# KiCad board Barghoot.kicad_pcb (continued)
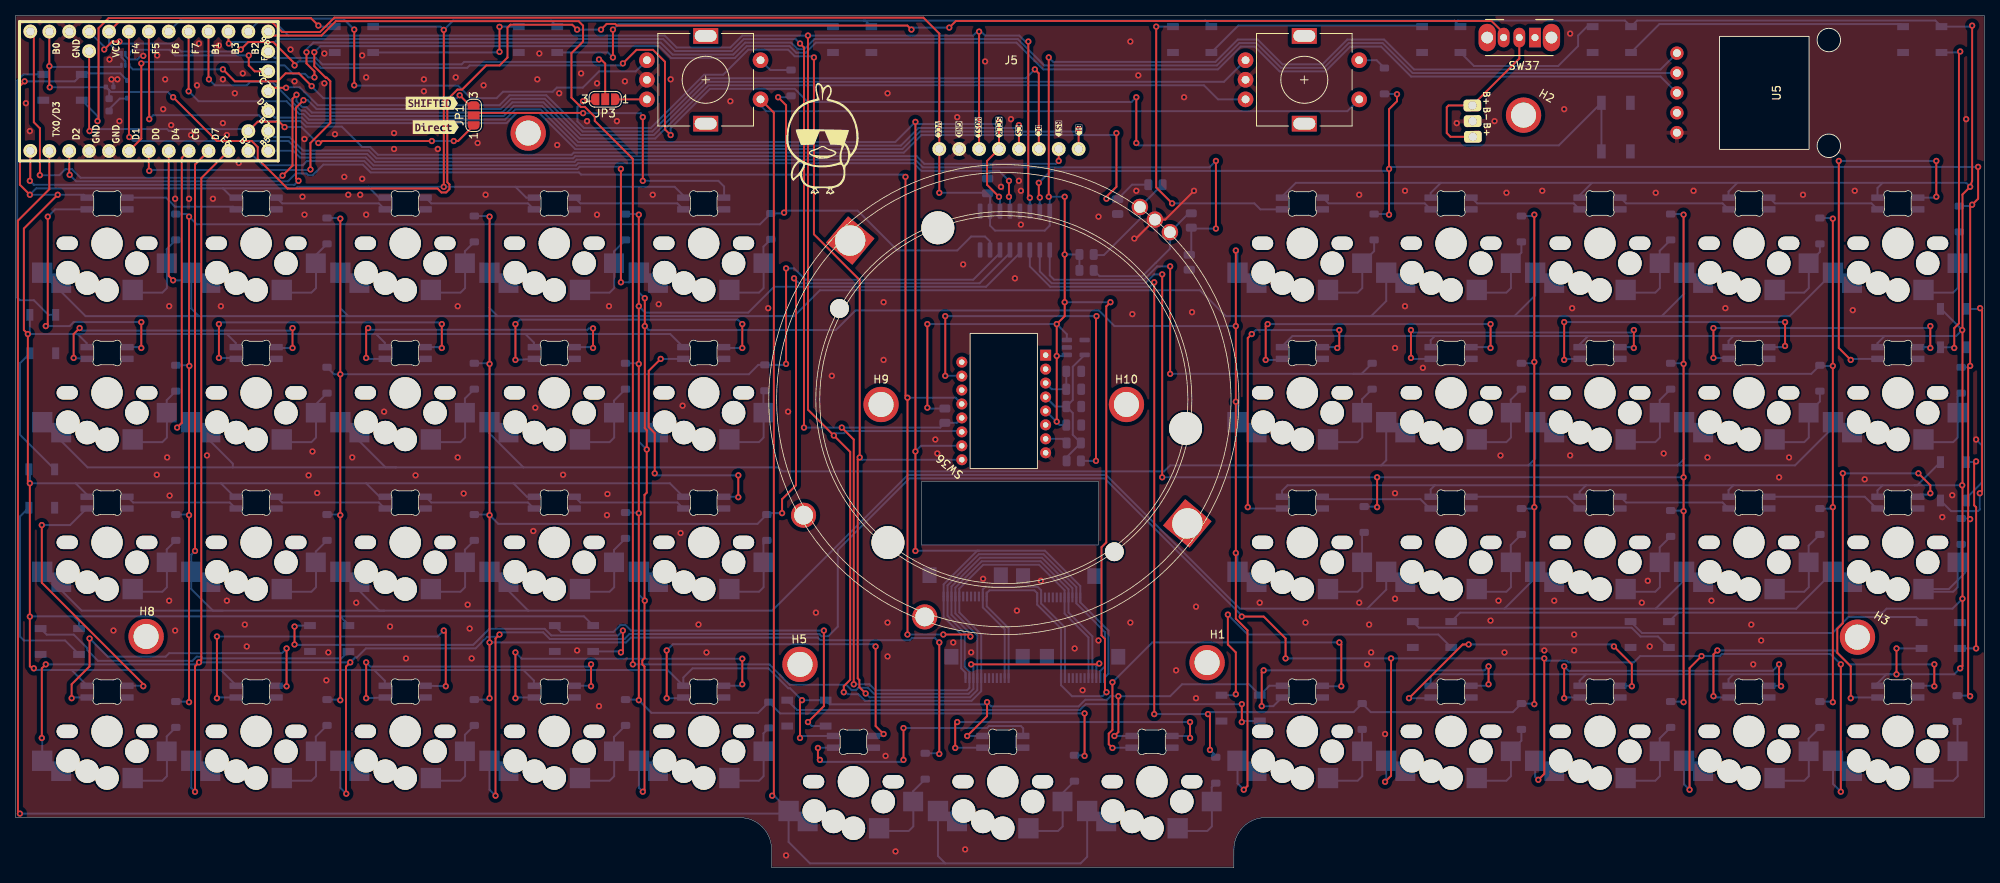
[diagram p0: board, top side]
## Routing (per net, layer and track width the routed paths; a pad name or vN(x,y) marks a point on that pad's centre or on a via; arc(x,y) is an arc through that point) (continued)
row_4: length 304.9
  Top w0.25: v1(77.25,89.15) v1(77.25,74.68) ; v1(155.73,78.74) v1(155.73,69.09) v1(155.73,59.44) v1(155.73,40.13) 155.73,31.74 157.22,30.25 157.22,10.38 v1(156.75,9.91) ; v1(80.3,72.64) 80.3,56.06 80.55,55.81 v1(80.55,53.34) 80.55,47.83 80.26,47.54 80.26,26.69 79.98,26.42 79.98,25.91 80.26,25.63 80.26,9.87 v1(80.04,9.65)
  Bottom w0.25: 155.95,56.82 155.95,59.22 v1(155.73,59.44) ; v1(156.75,9.91) 155.95,10.7 155.95,13.6 ; v1(77.25,89.15) 76.97,89.43 71.98,89.43 71.71,89.15 45.49,89.15 44.5,90.15 37.17,90.15 36.64,89.63 31.51,89.63 U1.11 ; SW41.1 79.55,10.15 v1(80.04,9.65) ; v1(77.25,74.68) 78.31,74.68 SW38.1 79.55,73.39 v1(80.3,72.64) ; SW40.1 79.55,34.78 v1(80.3,34.04) ; v1(80.3,69.09) 80.8,68.58 104.68,68.58 107.18,71.08 138.25,71.08 140.25,69.09 v1(155.73,69.09) ; v1(155.73,78.74) 155.95,78.52 155.95,75.91 ; v1(80.55,53.34) 79.55,54.34 SW39.1 ; 155.95,37.72 155.95,39.91 v1(155.73,40.13)
row_5: length 411.8
  Top w0.25: v1(96.55,9.14) 96.77,9.36 96.77,96.33 SW48.S1 ; U1.1 4.3,86.56 0.29,82.55 0.29,7.11 v1(0.54,6.86)
  Bottom w0.25: 118.65,0.51 135.92,0.51 136.76,1.35 SW22.1 ; 118.65,0.51 101.38,0.51 98.65,3.23 SW12.1 ; 118.65,0.51 117.72,1.44 SW17.1 ; SW12.1 98.65,7.3 96.81,9.14 v1(96.55,9.14) ; SW12.1 98.32,6.86 v1(0.54,6.86) ; SW48.S1 95.07,97.24 95.79,96.52 169.97,96.52 SW47.S1
SCL: length 224.4
  Top w0.25: v1(37.62,89.08) 37.62,92.47 40.16,95.01 40.16,100.34 39.7,100.8 39.57,100.8 38.12,102.25 v1(38.12,104.04) ; v1(17.05,88.9) 17.05,89.15 17,89.1 U1.6
  Bottom w0.25: 37.55,89.08 v1(37.62,89.08) 37.57,89.02 17.17,89.02 v1(17.05,88.9) ; U5.3 209.94,100.94 178.11,100.94 174.29,104.76 170.33,104.76 167.17,101.6 161.32,101.6 158.16,104.76 156.36,104.76 153.45,101.85 131.14,101.85 127.73,105.27 102.13,105.27 100.84,103.98 99.62,103.98 98.78,104.82 93.3,104.82 91.78,103.3 83.67,103.3 82.14,104.82 38.89,104.82 v1(38.12,104.04)
SCLK: length 242.5
  Top w0.25: v1(125.51,85.6) 123.98,87.12 123.98,90.17 J5.4 v1(125.51,95.15) ; v1(114.84,95.15) v1(114.84,53.09) v1(114.84,40.39) ; U1.16 24.62,100.64
  Bottom w0.25: 125.63,83.76 125.63,85.47 v1(125.51,85.6) ; U4.10 115.56,53.81 v1(114.84,53.09) ; v1(114.84,40.39) 114.87,40.42 122.97,40.42 ; 122.97,40.42 122.74,40.42 118.44,36.12 J2.1 118.44,31.96 120.68,29.72 120.68,25.4 121.23,24.85 J6.1 ; 122.97,40.42 131.37,40.42 135.88,35.91 J1.12 135.88,33.83 139.48,30.23 139.48,24.71 J3.12 ; v1(125.51,95.15) 125.23,94.88 115.11,94.88 v1(114.84,95.15) 112.26,92.58 71.79,92.58 67.17,97.2 63.58,97.2 62.28,95.9 37.62,95.9 36.91,96.6 36.4,96.6 32.73,100.26 29.94,100.26 29.5,99.82 25.43,99.82 v1(24.67,100.58)
SDA: length 223
  Top w0.25: v1(16.03,102.62) 16.03,93.02 U1.5 ; v1(37.12,104.04) 37.12,102.62 38.13,101.6 v1(38.13,100.84)
  Bottom w0.25: U5.2 178.29,101.39 174.47,105.21 170.14,105.21 166.98,102.05 161.51,102.05 158.34,105.21 156.17,105.21 153.32,102.36 131.27,102.36 127.91,105.72 101.94,105.72 100.65,104.43 99.81,104.43 98.97,105.27 93.11,105.27 91.59,103.75 83.85,103.75 82.33,105.27 37.99,105.27 37.12,104.39 v1(37.12,104.04) ; v1(38.13,100.84) 37.37,100.84 36.92,101.29 35.4,101.29 34.32,102.36 33.56,102.36 33.12,102.8 16.22,102.8 v1(16.03,102.62)
SR_CS: length 100.3
  Top w0.25: v1(126.78,85.6) v1(126.78,87.63)
  Bottom w0.25: U1.12 35.44,91.46 36.31,90.6 44.68,90.6 45.68,89.6 71.52,89.6 71.79,89.88 114.62,89.88 115.6,88.9 125.51,88.9 v1(126.78,87.63) ; 126.91,83.76 126.91,85.47 v1(126.78,85.6)
TFT_BL: length 110.1
  Top w0.25: v1(135.67,94.23) J5.8
  Bottom w0.25: U1.26 33.06,95.7 36.54,95.7 37.24,95 62.65,95 63.95,96.3 66.8,96.3 71.42,91.68 113.17,91.68 115.42,93.92 135.36,93.92 v1(135.67,94.23)
TFT_CS: length 121.7
  Top w0.25: U1.17 v1(22.08,99.06) ; v1(128.05,94.74) J5.5
  Bottom w0.25: v1(22.08,99.06) 23.35,97.79 34.57,97.79 36.21,96.15 36.73,96.15 37.43,95.45 62.46,95.45 63.77,96.75 66.99,96.75 71.61,92.13 112.99,92.13 115.23,94.37 127.68,94.37 v1(128.05,94.74)
TFT_DC: length 115.1
  Top w0.25: v1(130.08,101.85) 130.59,101.35 J5.6 ; U1.27 32.68,99.51 v1(34.51,99.51)
  Bottom w0.25: v1(34.51,99.51) 34.58,99.57 36.27,99.57 38.55,97.28 61.75,97.28 63.02,98.55 67.73,98.55 72.35,93.93 81.26,93.93 88.05,100.72 128.95,100.72 v1(130.08,101.85)
TFT_RST: length 104.5
  Top w0.25: J5.7 v1(133.13,90.17)
  Bottom w0.25: v1(133.13,90.17) 132.76,89.8 115.97,89.8 115,90.78 71.42,90.78 71.15,90.5 46.05,90.5 45.06,91.5 36.68,91.5 34.96,93.22 33,93.22 U1.25
Net-(D1-K): length 3.5
  Bottom w0.25: SW1.2 19.28,78.93 D1.1
Net-(D2-K): length 3.2
  Bottom w0.25: SW2.2 19.28,59.63 D2.1
Net-(D3-K): length 3.5
  Bottom w0.25: D3.1 19.28,16.7 SW3.2
Net-(D4-K): length 3.1
  Bottom w0.25: SW4.2 38.31,78.15 D4.1
Net-(D5-K): length 3.1
  Bottom w0.25: D5.1 38.31,59.1 SW5.2
Net-(D6-K): length 3.3
  Bottom w0.25: D6.1 19.28,40.58 SW6.2
Net-(D7-K): length 3.9
  Bottom w0.25: SW7.2 38.31,16.68 D7.1
Net-(D8-K): length 3.2
  Bottom w0.25: D8.1 57.34,78.64 SW8.2
Net-(D9-K): length 3.5
  Bottom w0.25: D9.1 57.34,59.84 SW9.2
Net-(D10-K): length 3.4
  Bottom w0.25: SW10.2 38.31,40.3 D10.1
Net-(D11-K): length 3.8
  Bottom w0.25: D11.1 57.34,16.92 SW11.2
Net-(D12-K): length 3.5
  Bottom w0.25: SW12.2 114.55,9.72 D12.1
Net-(D13-K): length 3.6
  Bottom w0.25: SW13.2 76.37,78.62 D13.1
Net-(D14-K): length 3.6
  Bottom w0.25: SW14.2 76.37,59.57 D14.1
Net-(D15-K): length 3.3
  Bottom w0.25: SW15.2 57.34,40.54 D15.1
Net-(D16-K): length 3.9
  Bottom w0.25: D16.1 76.37,16.64 SW16.2
Net-(D17-K): length 3.2
  Bottom w0.25: SW17.2 133.61,9.48 D17.1
Net-(D18-K): length 3.3
  Bottom w0.25: SW18.2 192.18,78.47 D18.1
Net-(D19-K): length 3.6
  Bottom w0.25: SW19.2 190.83,59.68 D19.1
Net-(D20-K): length 3.7
  Bottom w0.25: SW20.2 76.37,40.52 D20.1
Net-(D21-K): length 3.4
  Bottom w0.25: SW21.2 192.18,16.17 D21.1
Net-(D22-K): length 2.6
  Bottom w0.25: SW22.2 152.66,10.23 D22.1
Net-(D23-K): length 4.1
  Bottom w0.25: SW23.2 190.83,41.14 D23.1
Net-(D24-K): length 3.6
  Bottom w0.25: SW24.2 209.84,78.69 D24.1
Net-(D25-K): length 3.6
  Bottom w0.25: D25.1 209.84,59.64 SW25.2
Net-(D26-K): length 3.6
  Bottom w0.25: SW26.2 209.84,16.46 D26.1
Net-(D27-K): length 3.9
  Bottom w0.25: D27.1 209.84,40.85 SW27.2
Net-(D28-K): length 3.1
  Bottom w0.25: SW28.2 230.28,78.56 D28.1
Net-(D29-K): length 3.4
  Bottom w0.25: D29.1 230.28,59.47 SW29.2
Net-(D30-K): length 4.2
  Bottom w0.25: SW30.2 228.84,41.06 D30.1
Net-(D31-K): length 3.6
  Bottom w0.25: D31.1 228.84,16.42 SW31.2
Net-(D32-K): length 4.1
  Bottom w0.25: SW32.2 247.85,80.9 D32.1
Net-(D33-K): length 2.7
  Bottom w0.25: D33.1 247.85,60.07 SW33.2
Net-(D34-K): length 3.8
  Bottom w0.25: D34.1 247.85,18.58 SW34.2
Net-(D35-K): length 3.6
  Bottom w0.25: SW47.S2 173.7,103.03 D35.1
Net-(D36-K): length 4.4
  Bottom w0.25: D36.1 96.32,101.77 SW48.S2
Net-(D37-DIN): length 33.4
  Top w0.25: v1(250.69,47.75) 250.98,48.04 250.98,71.12 v1(250.73,71.37)
  Bottom w0.25: v1(250.69,47.75) 250.69,45.68 250.48,45.47 247.03,45.47 D37.4 ; v1(250.73,71.37) 250.64,71.28 D38.2
Net-(D37-DOUT): length 27.4
  Top w0.25: v1(250.22,51.82) 249.97,51.56 249.97,46.22 250.22,45.96 v1(250.22,27.94)
  Bottom w0.25: v1(250.22,51.82) 250.13,51.73 D37.2 ; D99.4 v1(250.22,27.94)
Net-(D38-DIN): length 42.4
  Top w0.25: v1(247.43,66.29) 247.43,68.83 248.03,69.44 248.03,103.98 v1(248.19,104.14)
  Bottom w0.25: v1(247.43,66.29) 247.34,66.38 D38.4 ; D39.2 248.06,104.01 v1(248.19,104.14)
Net-(D39-DIN): length 36.4
  Bottom w0.25: D94.2 209.8,107.64 240.57,107.64 D39.4
Net-(D40-A): length 3.1
  Bottom w0.25: D40.2 14.2,98.13 13.29,98.13 11.93,96.77 F1.1
Net-(D41-DIN): length 40.9
  Top w0.25: v1(44.74,21.59) v1(44.74,26.16) ; v1(73.44,25.91) v1(73.44,23.11)
  Bottom w0.25: D41.4 73.37,23.18 v1(73.44,23.11) ; v1(44.74,26.16) 45.26,25.63 73.16,25.63 v1(73.44,25.91) ; D85.2 v1(44.74,21.59)
Net-(D41-DOUT): length 43.4
  Top w0.25: v1(92.74,26.63) v1(92.74,23.37) ; v1(63.79,21.59) v1(63.79,27.43)
  Bottom w0.25: v1(92.74,23.37) 92.56,23.18 D52.4 ; D41.2 63.95,21.68 64.04,21.59 v1(63.79,21.59) ; v1(92.74,26.63) 64.59,26.63 v1(63.79,27.43)
Net-(D42-DIN): length 14.4
  Bottom w0.25: D88.2 217.86,46.57 205.55,46.57 D42.4
Net-(D42-DOUT): length 14.4
  Bottom w0.25: D42.2 199.49,45.8 197.99,47.3 D49.4
Net-(D43-K): length 8.6
  Bottom w0.25: D43.1 248.32,39.4 SW46.2 ; 248.8,37.59 246.73,35.52 SW46.2
Net-(D44-DIN): length 40.2
  Top w0.25: v1(225.84,69.6) v1(225.84,66.55) ; v1(197.64,64.77) v1(197.64,69.6)
  Bottom w0.25: v1(197.64,69.6) v1(225.84,69.6) ; D86.2 197.78,64.9 v1(197.64,64.77) ; v1(225.84,66.55) 225.69,66.4 D44.4
Net-(D44-DOUT): length 38
  Top w0.25: v1(216.69,65.02) v1(216.69,68.83) ; v1(244.38,69.09) v1(244.38,66.29)
  Bottom w0.25: v1(216.69,65.02) 218.5,65.02 D44.2 ; v1(244.38,66.29) 244.27,66.4 D50.4 ; v1(244.38,69.09) 244.13,68.83 v1(216.69,68.83)
Net-(D45-DIN): length 41.2
  Top w0.25: v1(187.99,25.65) v1(187.99,23.37) ; v1(159.29,25.15) 159.04,24.89 v1(159.04,20.57)
  Bottom w0.25: v1(187.99,23.37) 187.81,23.18 D45.4 ; v1(159.04,20.57) 160.52,20.57 D89.2 ; v1(159.29,25.15) 187.48,25.15 v1(187.99,25.65)
Net-(D45-DOUT): length 39.4
  Top w0.25: v1(185.45,28.45) 184.69,28.45 v1(177.83,21.59) ; v1(203.99,28.19) 206.28,25.91 v1(206.28,23.11)
  Bottom w0.25: v1(206.28,23.11) 206.21,23.18 D51.4 ; v1(185.45,28.45) 203.74,28.45 v1(203.99,28.19) ; v1(177.83,21.59) 180.51,21.59 D45.2
Net-(D46-DOUT): length 14.5
  Bottom w0.25: D53.4 72.08,84.75 84.45,84.75 D46.2
Net-(D47-DIN): length 37.9
  Top w0.25: v1(35.34,68.83) v1(35.34,66.29) ; v1(8.16,68.83) 7.4,68.07 v1(7.4,65.02)
  Bottom w0.25: D47.4 33.4,66.29 v1(35.34,66.29) ; D90.2 v1(7.4,65.02) ; v1(8.16,68.83) 8.47,68.52 35.03,68.52 v1(35.34,68.83)
Net-(D47-DOUT): length 40.1
  Top w0.25: v1(25.94,65.02) v1(25.94,69.34) ; v1(54.39,69.34) v1(54.39,66.29)
  Bottom w0.25: D54.4 54.28,66.4 ; v1(54.39,69.34) 53.92,69.56 26.16,69.56 v1(25.94,69.34) ; v1(25.94,65.02) 27.97,65.02 D47.2
Net-(D48-DIN): length 14.4
  Bottom w0.25: D48.4 53.05,46.57 65.38,46.57 D91.2
Net-(D48-DOUT): length 14.4
  Bottom w0.25: D55.4 34.02,46.57 46.35,46.57 D48.2
Net-(D49-DOUT): length 14.4
  Bottom w0.25: D56.4 167.14,46.99 179.3,46.99 180.48,45.8 D49.2
Net-(D50-DOUT): length 48.9
  Top w0.25: v1(234.22,64.77) 232.7,66.29 v1(232.7,90.17) ; v1(245.14,85.6) v1(245.14,90.17)
  Bottom w0.25: v1(245.14,90.17) v1(232.7,90.17) ; D50.2 234.35,64.9 v1(234.22,64.77) ; D57.4 245.03,85.49 v1(245.14,85.6)
Net-(D51-DOUT): length 38.5
  Top w0.25: v1(225.33,23.11) 225.08,23.37 v1(225.08,25.91) ; v1(197.64,21.59) v1(197.64,25.65)
  Bottom w0.25: D58.4 225.26,23.18 v1(225.33,23.11) ; D51.2 197.74,21.68 v1(197.64,21.59) ; v1(225.08,25.91) 224.26,25.09 198.21,25.09 v1(197.64,25.65)
Net-(D52-DOUT): length 48.3
  Top w0.25: v1(110.78,17.02) 109.76,18.03 v1(109.76,28.19) ; v1(83.09,21.59) v1(83.09,27.69)
  Bottom w0.25: D52.2 85.13,21.59 v1(83.09,21.59) ; v1(109.76,28.19) 109.47,28.48 83.89,28.48 v1(83.09,27.69) ; v1(110.78,17.02) 110.53,16.77 D59.4
Net-(D53-DOUT): length 14.4
  Bottom w0.25: D53.2 65.38,84.75 53.05,84.75 D60.4
Net-(D54-DOUT): length 40.3
  Top w0.25: v1(73.69,68.8) v1(73.69,66.29) ; v1(44.99,68.83) 44.74,68.83 v1(44.74,65.02)
  Bottom w0.25: v1(44.99,68.83) 45.21,68.62 72.97,68.62 73.15,68.8 v1(73.69,68.8) ; D61.4 73.58,66.4 v1(73.69,66.29) ; D54.2 44.86,64.9 v1(44.74,65.02)
Net-(D55-DOUT): length 14.4
  Bottom w0.25: D62.4 15,46.57 27.32,46.57 D55.2
Net-(D56-DOUT): length 42.4
  Top w0.25: v1(157.26,45.97) 157.26,67.56 v1(157.77,68.07) ; v1(168.69,66.29) 168.94,66.55 v1(168.94,68.58)
  Bottom w0.25: v1(157.26,45.97) 157.43,45.8 D56.2 ; v1(168.69,66.29) 168.58,66.4 D63.4 ; v1(168.94,68.58) 158.27,68.58 v1(157.77,68.07)
Net-(D57-DOUT): length 14.4
  Bottom w0.25: D57.2 236.87,84.75 224.56,84.75 D64.4
Net-(D58-DOUT): length 41.3
  Top w0.25: v1(217.2,27.69) 216.69,27.18 v1(216.69,21.84) ; v1(244.89,25.91) v1(244.89,23.11)
  Bottom w0.25: D65.4 244.82,23.18 v1(244.89,23.11) ; v1(244.89,25.91) 233.98,25.91 232.2,27.69 v1(217.2,27.69) ; v1(216.69,21.84) 216.86,21.68 D58.2
Net-(D59-DOUT): length 35
  Top w0.25: v1(113.32,13.72) v1(113.32,17.78) ; v1(102.65,13.72) 102.39,13.97 v1(102.39,15.24)
  Bottom w0.25: D59.2 102.42,15.27 v1(102.39,15.24) ; v1(113.32,13.72) 113.06,13.46 102.9,13.46 v1(102.65,13.72) ; v1(113.32,17.78) 123.98,17.78 124.24,18.03 128.3,18.03 128.59,17.74 D66.4
Net-(D60-DOUT): length 14.4
  Bottom w0.25: D60.2 46.35,84.75 34.02,84.75 D67.4
Net-(D61-DOUT): length 41.8
  Top w0.25: v1(63.79,64.77) v1(63.79,69.34) ; v1(92.74,69.34) v1(92.74,66.29)
  Bottom w0.25: v1(92.74,69.34) 92.18,69.91 64.35,69.91 v1(63.79,69.34) ; v1(92.74,66.29) 90.53,66.29 D68.4 ; D61.2 v1(63.79,64.77)
Net-(D62-DOUT): length 34.6
  Top w0.25: v1(3.33,43.69) 3.33,36.33 16.29,23.38 v1(16.29,23.11)
  Bottom w0.25: D62.2 6.94,43.69 v1(3.33,43.69) ; v1(16.29,23.11) 16.22,23.18 D69.4
Net-(D63-DOUT): length 40.6
  Top w0.25: v1(159.8,69.34) 159.54,69.09 v1(159.54,64.77) ; v1(188.25,69.34) v1(188.25,66.29)
  Bottom w0.25: v1(159.54,64.77) 161.5,64.77 D63.2 ; v1(159.8,69.34) v1(188.25,69.34) ; D70.4 188.14,66.4
Net-(D64-DOUT): length 14.4
  Bottom w0.25: D64.2 217.86,84.75 205.55,84.75 D71.4
Net-(D65-DOUT): length 47.7
  Top w0.25: v1(234.22,21.59) 234.22,25.66 232.5,27.38 232.5,30.44 233.2,31.15 v1(233.2,50.29) ; v1(242.86,50.29) 244.38,48.77 v1(244.38,47.75)
  Bottom w0.25: v1(234.22,21.59) 234.31,21.68 D65.2 ; D72.4 243.11,47.58 244.21,47.58 v1(244.38,47.75) ; v1(242.86,50.29) v1(233.2,50.29)
Net-(D66-DOUT): length 41
  Top w0.25: v1(120.17,18.54) 119.92,18.29 v1(119.92,15.24) ; v1(149.89,18.54) v1(149.89,16.51)
  Bottom w0.25: v1(120.17,18.54) v1(149.89,18.54) ; v1(149.89,16.51) 149.64,16.76 147.86,16.76 147.85,16.77 D73.4 ; D66.2 119.95,15.27 v1(119.92,15.24)
Net-(D67-DOUT): length 14.4
  Bottom w0.25: D67.2 27.75,84.33 20.34,84.33 19.18,85.49 D74.4
Net-(D68-DOUT): length 34
  Top w0.25: v1(81.57,50.29) 81.57,55.43 80.8,56.19 80.8,63.38 v1(82.33,64.9) ; v1(92.23,50.04) v1(92.23,47.24)
  Bottom w0.25: v1(82.33,64.9) D68.2 ; v1(92.23,50.04) 81.82,50.04 v1(81.57,50.29) ; D83.4 92.43,47.3
Net-(D69-DOUT): length 43.2
  Top w0.25: v1(34.58,23.11) v1(34.58,27.94) ; v1(9.43,29.21) 9.43,25.65 7.14,23.37 v1(7.14,21.59)
  Bottom w0.25: D69.2 7.24,21.68 v1(7.14,21.59) ; D84.4 34.51,23.18 v1(34.58,23.11) ; v1(9.43,29.21) 11.75,26.89 19.14,26.89 19.59,27.34 33.97,27.34 v1(34.58,27.94)
Net-(D70-DOUT): length 39.1
  Top w0.25: v1(206.53,68.58) v1(206.53,66.29) ; v1(178.09,65.02) v1(178.09,68.58)
  Bottom w0.25: v1(206.53,68.58) 206.22,68.27 178.4,68.27 v1(178.09,68.58) ; v1(206.53,66.29) 206.43,66.4 D86.4 ; 178.22,64.9 178.1,65.02 v1(178.09,65.02) 178.21,64.9 D70.2
Net-(D71-DOUT): length 14.4
  Bottom w0.25: D71.2 198.85,84.75 186.54,84.75 D87.4
Net-(D72-DOUT): length 14.4
  Bottom w0.25: D88.4 236.01,47.3 237.51,45.8 D72.2
Net-(D73-DOUT): length 50.4
  Top w0.25: v1(139.99,15.24) 139.51,15.71 139.51,17.06 139.99,17.54 v1(139.99,23.62) ; v1(168.94,28.7) 169.2,28.45 v1(169.2,23.11)
  Bottom w0.25: v1(139.99,23.62) 145.07,28.71 168.94,28.71 v1(168.94,28.7) ; v1(139.99,15.24) 140.02,15.27 D73.2 ; D89.4 166.9,23.11 v1(169.2,23.11)
Net-(D74-DOUT): length 36.9
  Top w0.25: v1(16.03,69.6) v1(16.03,66.29) ; v1(3.84,69.09) 4.1,69.34 v1(4.1,83.06)
  Bottom w0.25: v1(16.03,66.29) 15.93,66.4 D90.4 ; v1(3.84,69.09) 6.89,69.09 7.4,69.6 v1(16.03,69.6) ; D74.2 5.02,83.99 v1(4.1,83.06)
Net-(D75-K): length 3.4
  Bottom w0.25: SW38.2 95.44,79.22 D75.1
Net-(D76-K): length 2.9
  Bottom w0.25: D76.1 95.44,60.66 SW39.2
Net-(D77-K): length 3
  Bottom w0.25: SW40.2 95.44,41.3 D77.1
Net-(D78-K): length 3.3
  Bottom w0.25: SW41.2 95.44,17.1 D78.1
Net-(D79-K): length 2.8
  Bottom w0.25: D79.1 171.85,17.59 SW42.2
Net-(D80-K): length 3.9
  Bottom w0.25: D80.1 171.85,42.48 SW43.2
Net-(D81-K): length 3.5
  Bottom w0.25: SW44.2 171.85,59.76 D81.1
Net-(D82-K): length 3.6
  Bottom w0.25: D82.1 173.39,78.66 SW45.2
Net-(D83-DOUT): length 14.5
  Bottom w0.25: D83.2 84.45,46.57 72.08,46.57 D91.4
Net-(D84-DOUT): length 49.4
  Top w0.25: v1(25.69,29.46) v1(25.69,21.59) ; v1(54.9,23.11) 54.9,29.97 v1(54.64,30.23)
  Bottom w0.25: v1(54.64,30.23) 53.88,29.46 v1(25.69,29.46) ; v1(25.69,21.59) 25.78,21.68 D84.2 ; D85.4 v1(54.9,23.11)
Net-(D87-DOUT): length 14.4
  Bottom w0.25: D92.4 167.56,84.75 179.84,84.75 D87.2
Net-(D92-DOUT): length 39.9
  Top w0.25: v1(145.57,107.31) 145.57,86.78 v1(147.61,84.75)
  Bottom w0.25: D92.2 158.87,83.99 158.11,84.75 v1(147.61,84.75) ; v1(145.57,107.31) D98.4
Net-(D93-DIN): length 42.7
  Top w0.25: v1(155.73,22.1) 155.73,27.43 154.72,28.45 v1(154.72,32.26)
  Bottom w0.25: v1(154.72,32.26) 157.26,29.72 181.57,29.72 D95.2 ; v1(155.73,22.1) 155.61,21.97 D93.4
Net-(D94-DIN): length 20.4
  Bottom w0.25: D96.2 186.13,102.29 196.88,102.29 199.42,104.83 199.42,106.17 200.56,107.31 D94.4
Net-(D95-DIN): length 34.1
  Bottom w0.25: D97.2 209.62,29.46 207.38,29.46 206.25,30.59 179.1,30.59 D95.4
Net-(D96-DIN): length 28.4
  Bottom w0.25: D96.4 179.36,107.45 156.05,107.45 D98.2
Net-(D97-DIN): length 38.9
  Bottom w0.25: D99.2 242.55,31.95 233.92,31.95 231.88,29.91 207.57,29.91 D97.4
Net-(D100-DIN): length 63.5
  Top w0.25: v1(156.5,20.83) v1(156.5,18.54)
  Bottom w0.25: v1(156.5,18.54) 156.62,18.67 D93.2 ; v1(156.5,20.83) 136.59,20.83 135.85,20.09 99.72,20.09 D100.4
Net-(D100-DOUT): length 50.3
  Top w0.25: v1(103.16,30.23) 103.16,20.57 v1(101.12,18.54)
  Bottom w0.25: v1(103.16,30.23) 78.53,30.23 77.8,30.95 77.2,30.95 76.3,30.05 69.62,30.05 D101.4 ; v1(101.12,18.54) 101.63,18.03 D100.2
Net-(D101-DOUT): length 54.2
  Top w0.25: v1(77.5,30.23) 77.5,27.69 v1(77.25,27.43) ; v1(35.59,28.45) v1(35.59,30.73)
  Bottom w0.25: v1(35.59,30.73) 35.72,30.86 D102.4 ; D101.2 77.12,27.56 v1(77.25,27.43) ; v1(77.5,30.23) 76.88,29.6 68.36,29.6 67.52,30.44 60.45,30.44 58.4,28.4 35.64,28.4 v1(35.59,28.45)
Net-(D102-DOUT): length 41.8
  Bottom w0.25: D103.4 3.96,29.7 7.41,29.7 9.16,27.95 9.16,27.7 10.5,26.36 22.57,26.36 23.1,26.89 23.7,26.89 23.91,26.67 41.58,26.67 D102.2
Net-(D103-DOUT): length 25.4
  Bottom w0.25: D104.4 0.54,44.77 0.54,29.46 1.05,28.96 6.31,28.96 D103.2
Net-(D104-DOUT): length 17.2
  Bottom w0.25: D104.2 0.54,55.23 0.54,64.36 D105.4
Net-(D105-DOUT): length 37.2
  Bottom w0.25: D105.2 4.19,70.52 2.32,72.39 0.54,72.39 0.2,72.73 0.2,100.41 1,101.22 D106.4
Net-(D106-DOUT): length 46.6
  Top w0.25: v1(10.45,95.25) 10.58,95.38 10.58,107.12 11.86,108.4 37.68,108.4 v1(38.64,107.45)
  Bottom w0.25: v1(10.45,95.25) 10.45,95.9 D106.2 ; v1(38.64,107.45) 38.77,107.31 D107.4
Net-(D107-DOUT): length 21.8
  Top w0.25: v1(61.75,107.28) v1(61.75,104.1)
  Bottom w0.25: v1(61.75,104.1) 61.67,104.01 D107.2 ; D109.4 61.78,107.31 v1(61.75,107.28)
Net-(D108-DIN): length 39.4
  Top w0.25: v1(76.23,103.38) v1(76.23,106.93)
  Bottom w0.25: D108.4 104,107.64 76.94,107.64 v1(76.23,106.93) ; D109.2 75.6,104.01 v1(76.23,103.38)
Net-(R4-Pad2): length 17.3
  Bottom w0.25: R5.1 138.34,75.46 143.81,75.46 145.5,77.16 145.52,77.16 147.32,78.96 SW36.A 149.73,83.48 R4.2
Net-(R6-Pad1): length 13.4
  Bottom w0.25: 137.6,78.15 138.88,78.15 143.49,82.75 SW36.B 146.34,87.14 R7.2
Net-(U4-LED_P): length 49.5
  Top w0.25: v1(118.65,70.36) v1(118.65,62.74) ; v1(137.95,70.36) 137.89,70.29 v1(137.89,51.88)
  Bottom w0.25: v1(137.95,70.36) v1(118.65,70.36) ; R1.2 v1(137.89,51.88) ; U4.15 120.73,62.74 v1(118.65,62.74)
Net-(U4-VDDPIX): length 5.3
  Bottom w0.25: U4.3 132.25,61.03 C3.1 C4.2
Net-(U4-~{NRESET}): length 2.9
  Bottom w0.25: U4.7 133.61,54.7 R2.1

## Copper pours and planes (outline as drawn; the poured copper is in the pictures)
GND on Top, Bottom: 285.27,-10.67 -31.21,-9.91 -29.94,119.64 286.03,118.62
